# Altium PCB NUCLEOG431RB-Custom-IN-A2212.PcbDoc (part 2 of 5) (continued)
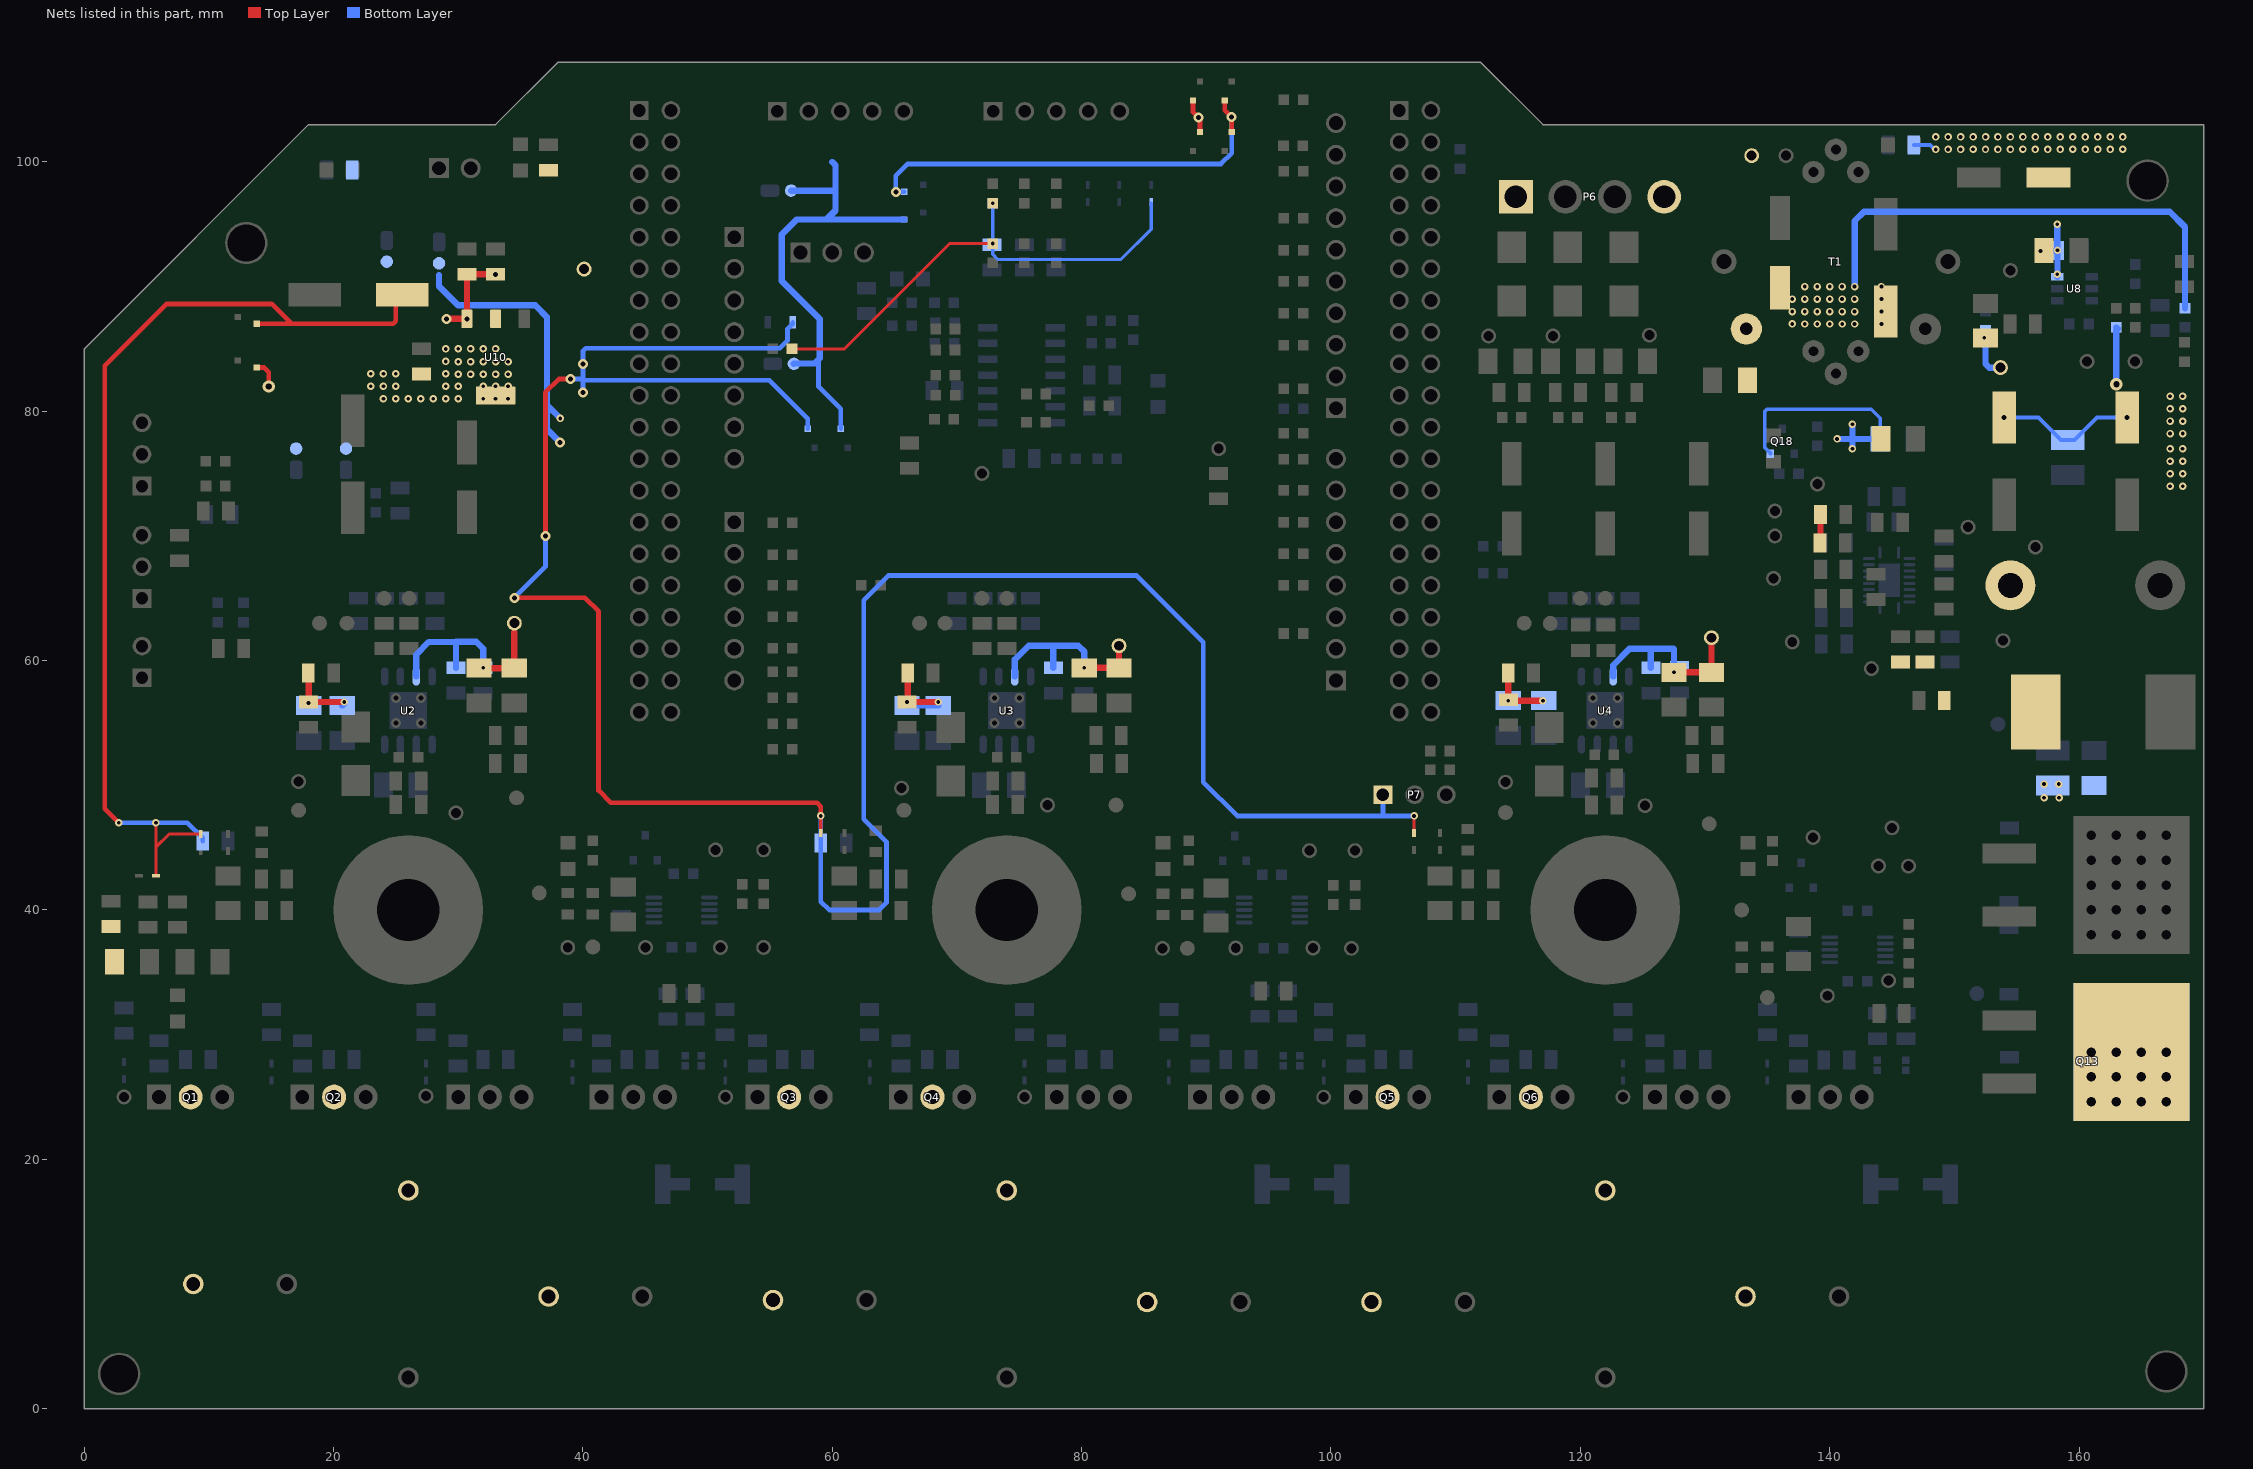
[diagram p4: the nets of this part, all layers, seen from the top]
## Part data (continued)
R65: library part ERJ-6ENF1802V, "RES SMD 18K OHM 1% 1/8W 0805", Digi-Key Part Number=P18.0KCCT-ND, Manufacturer="Panasonic Electronic Components", Operating Temperature="-55°C ~ 155°C", Package / Case="0805 (2012 Metric)", Power (Watts)="0.125W, 1/8W", Supplier Device Package=0805, Temperature Coefficient=±100ppm/°C, Tolerance=±1%, @ qty=1500, Composition="Thick Film", Datasheets=http://industrial.panasonic.com/www-cgi/jvcr13pz.cgi?E+PZ+3+AOA0002+ERJ6ENF1802V+7+WW, Factory Stock=0, Failure Rate=-, Features="Automotive AEC-Q200", Height - Seated (Max)="0.028\" (0.70mm)", Image=//media.digikey.com/Renders/Panasonic%20Renders/ERJ-0805%20Pkg.jpg, Minimum Quantity=1, Number of Terminations=2, Packaging="Cut Tape (CT)", Part Number=ERJ-6ENF1802V, Part Status=Active, Quantity Available=28787, Series=ERJ, Size / Dimension="0.079\" L x 0.049\" W (2.00mm x 1.25mm)", Unit Price (USD)=0.00729
R67: library part ERJ-6ENF2611V, "RES SMD 2.61K OHM 1% 1/8W 0805", Digi-Key Part Number=P2.61KCCT-ND, Manufacturer="Panasonic Electronic Components", Operating Temperature="-55°C ~ 155°C", Package / Case="0805 (2012 Metric)", Power (Watts)="0.125W, 1/8W", Supplier Device Package=0805, Temperature Coefficient=±100ppm/°C, Tolerance=±1%, @ qty=1500, Composition="Thick Film", Datasheets=http://industrial.panasonic.com/www-cgi/jvcr13pz.cgi?E+PZ+3+AOA0002+ERJ6ENF2611V+7+WW, Factory Stock=0, Failure Rate=-, Features="Automotive AEC-Q200", Height - Seated (Max)="0.028\" (0.70mm)", Image=//media.digikey.com/Renders/Panasonic%20Renders/ERJ-0805%20Pkg.jpg, Minimum Quantity=1, Number of Terminations=2, Packaging="Cut Tape (CT)", Part Number=ERJ-6ENF2611V, Part Status=Active, Quantity Available=42251, Series=ERJ, Size / Dimension="0.079\" L x 0.049\" W (2.00mm x 1.25mm)", Unit Price (USD)=0.00729
R68: library part ERJ-6ENF1021V, "RES SMD 1.02K OHM 1% 1/8W 0805", Digi-Key Part Number=P1.02KCCT-ND, Manufacturer="Panasonic Electronic Components", Operating Temperature="-55°C ~ 155°C", Package / Case="0805 (2012 Metric)", Power (Watts)="0.125W, 1/8W", Supplier Device Package=0805, Temperature Coefficient=±100ppm/°C, Tolerance=±1%, @ qty=1500, Composition="Thick Film", Datasheets=http://industrial.panasonic.com/www-cgi/jvcr13pz.cgi?E+PZ+3+AOA0002+ERJ6ENF1021V+7+WW, Factory Stock=0, Failure Rate=-, Features="Automotive AEC-Q200", Height - Seated (Max)="0.028\" (0.70mm)", Image=//media.digikey.com/Renders/Panasonic%20Renders/ERJ-0805%20Pkg.jpg, Minimum Quantity=1, Number of Terminations=2, Packaging="Cut Tape (CT)", Part Number=ERJ-6ENF1021V, Part Status=Active, Quantity Available=41456, Series=ERJ, Size / Dimension="0.079\" L x 0.049\" W (2.00mm x 1.25mm)", Unit Price (USD)=0.00729
R69 R177 R178 R179: library part ERJ-8ENF1003V, "RES SMD 100K OHM 1% 1/4W 1206", Digi-Key Part Number=P100KFCT-ND, Manufacturer="Panasonic Electronic Components", Operating Temperature="-55°C ~ 155°C", Package / Case="1206 (3216 Metric)", Power (Watts)="0.25W, 1/4W", Supplier Device Package=1206, Temperature Coefficient=±100ppm/°C, Tolerance=±1%, @ qty=1500, Composition="Thick Film", Datasheets=http://industrial.panasonic.com/www-cgi/jvcr13pz.cgi?E+PZ+3+AOA0002+ERJ8ENF1003V+7+WW, Factory Stock=0, Failure Rate=-, Features="Automotive AEC-Q200", Height - Seated (Max)="0.028\" (0.70mm)", Image=//media.digikey.com/Renders/Panasonic%20Renders/ERJ-1206%20Pkg.jpg, Minimum Quantity=1, Number of Terminations=2, Packaging="Cut Tape (CT)", Part Number=ERJ-8ENF1003V, Part Status=Active, Quantity Available=576605, Series=ERJ, Size / Dimension="0.126\" L x 0.063\" W (3.20mm x 1.60mm)", Unit Price (USD)=0.00933
R70: library part ERJ-3BQF1R0V, "RES SMD 1 OHM 1% 1/4W 0603", Digi-Key Part Number=P17371CT-ND, Manufacturer="Panasonic Electronic Components", Operating Temperature="-55°C ~ 125°C", Package / Case="0603 (1608 Metric)", Power (Watts)="0.25W, 1/4W", Supplier Device Package=0603, Temperature Coefficient=±200ppm/°C, Tolerance=±1%, @ qty=1500, Composition="Thick Film", Datasheets=https://industrial.panasonic.com/cdbs/www-data/pdf/RDA0000/AOA0000C239.pdf, Factory Stock=0, Failure Rate=-, Features="Automotive AEC-Q200, Current Sense", Height - Seated (Max)="0.022\" (0.55mm)", Image=//media.digikey.com/Photos/Panasonic%20Photos/MFG_ERJ-P6W%20Series.jpg, Minimum Quantity=1, Number of Terminations=2, Packaging="Cut Tape (CT)", Part Number=ERJ-3BQF1R0V, Part Status=Active, Quantity Available=30514, Series=ERJ, Size / Dimension="0.063\" L x 0.031\" W (1.60mm x 0.80mm)", Unit Price (USD)=0.05386
R71: library part ERJ-3EKF5103V, "RES SMD 510K OHM 1% 1/10W 0603", Digi-Key Part Number=P510KHCT-ND, Manufacturer="Panasonic Electronic Components", Operating Temperature="-55°C ~ 155°C", Package / Case="0603 (1608 Metric)", Power (Watts)="0.1W, 1/10W", Supplier Device Package=0603, Temperature Coefficient=±100ppm/°C, Tolerance=±1%, @ qty=1500, Composition="Thick Film", Datasheets=http://industrial.panasonic.com/www-cgi/jvcr13pz.cgi?E+PZ+3+AOA0002+ERJ3EKF5103V+7+WW, Factory Stock=0, Failure Rate=-, Features="Automotive AEC-Q200", Height - Seated (Max)="0.022\" (0.55mm)", Image=//media.digikey.com/Photos/Panasonic%20Photos/MFG_ERJ-P6W%20Series.jpg, Minimum Quantity=1, Number of Terminations=2, Packaging="Cut Tape (CT)", Part Number=ERJ-3EKF5103V, Part Status=Active, Quantity Available=132059, Series=ERJ, Size / Dimension="0.063\" L x 0.031\" W (1.60mm x 0.80mm)", Unit Price (USD)=0.00379
R72 R77: library part ERJ-3EKF1372V, "RES SMD 13.7K OHM 1% 1/10W 0603", Digi-Key Part Number=P13.7KHCT-ND, Manufacturer="Panasonic Electronic Components", Operating Temperature="-55°C ~ 155°C", Package / Case="0603 (1608 Metric)", Power (Watts)="0.1W, 1/10W", Supplier Device Package=0603, Temperature Coefficient=±100ppm/°C, Tolerance=±1%, @ qty=1500, Composition="Thick Film", Datasheets=http://industrial.panasonic.com/www-cgi/jvcr13pz.cgi?E+PZ+3+AOA0002+ERJ3EKF1372V+7+WW, Factory Stock=0, Failure Rate=-, Features="Automotive AEC-Q200", Height - Seated (Max)="0.022\" (0.55mm)", Image=//media.digikey.com/Photos/Panasonic%20Photos/MFG_ERJ-P6W%20Series.jpg, Minimum Quantity=1, Number of Terminations=2, Packaging="Cut Tape (CT)", Part Number=ERJ-3EKF1372V, Part Status=Active, Quantity Available=81314, Series=ERJ, Size / Dimension="0.063\" L x 0.031\" W (1.60mm x 0.80mm)", Unit Price (USD)=0.00379
R73: library part ERJ-3EKF49R9V, "RES SMD 49.9 OHM 1% 1/10W 0603", Digi-Key Part Number=P49.9HCT-ND, Manufacturer="Panasonic Electronic Components", Operating Temperature="-55°C ~ 155°C", Package / Case="0603 (1608 Metric)", Power (Watts)="0.1W, 1/10W", Supplier Device Package=0603, Temperature Coefficient=±100ppm/°C, Tolerance=±1%, @ qty=1500, Composition="Thick Film", Datasheets=http://industrial.panasonic.com/www-cgi/jvcr13pz.cgi?E+PZ+3+AOA0002+ERJ3EKF49R9V+7+WW, Factory Stock=0, Failure Rate=-, Features="Automotive AEC-Q200", Height - Seated (Max)="0.022\" (0.55mm)", Image=//media.digikey.com/Photos/Panasonic%20Photos/MFG_ERJ-P6W%20Series.jpg, Minimum Quantity=1, Number of Terminations=2, Packaging="Cut Tape (CT)", Part Number=ERJ-3EKF49R9V, Part Status=Active, Quantity Available=566023, Series=ERJ, Size / Dimension="0.063\" L x 0.031\" W (1.60mm x 0.80mm)", Unit Price (USD)=0.00379
R74: library part ERJ-3EKF2001V, "RES SMD 2K OHM 1% 1/10W 0603", Digi-Key Part Number=P2.00KHCT-ND, Manufacturer="Panasonic Electronic Components", Operating Temperature="-55°C ~ 155°C", Package / Case="0603 (1608 Metric)", Power (Watts)="0.1W, 1/10W", Supplier Device Package=0603, Temperature Coefficient=±100ppm/°C, Tolerance=±1%, @ qty=1500, Composition="Thick Film", Datasheets=http://industrial.panasonic.com/www-cgi/jvcr13pz.cgi?E+PZ+3+AOA0002+ERJ3EKF2001V+7+WW, Factory Stock=0, Failure Rate=-, Features="Automotive AEC-Q200", Height - Seated (Max)="0.022\" (0.55mm)", Image=//media.digikey.com/Photos/Panasonic%20Photos/MFG_ERJ-P6W%20Series.jpg, Minimum Quantity=1, Number of Terminations=2, Packaging="Cut Tape (CT)", Part Number=ERJ-3EKF2001V, Part Status=Active, Quantity Available=1021544, Series=ERJ, Size / Dimension="0.063\" L x 0.031\" W (1.60mm x 0.80mm)", Unit Price (USD)=0.00379
R75: library part ERJ-3EKF6802V, "RES SMD 68K OHM 1% 1/10W 0603", Digi-Key Part Number=P68.0KHCT-ND, Manufacturer="Panasonic Electronic Components", Operating Temperature="-55°C ~ 155°C", Package / Case="0603 (1608 Metric)", Power (Watts)="0.1W, 1/10W", Supplier Device Package=0603, Temperature Coefficient=±100ppm/°C, Tolerance=±1%, @ qty=1500, Composition="Thick Film", Datasheets=http://industrial.panasonic.com/www-cgi/jvcr13pz.cgi?E+PZ+3+AOA0002+ERJ3EKF6802V+7+WW, Factory Stock=0, Failure Rate=-, Features="Automotive AEC-Q200", Height - Seated (Max)="0.022\" (0.55mm)", Image=//media.digikey.com/Photos/Panasonic%20Photos/MFG_ERJ-P6W%20Series.jpg, Minimum Quantity=1, Number of Terminations=2, Packaging="Cut Tape (CT)", Part Number=ERJ-3EKF6802V, Part Status=Active, Quantity Available=63788, Series=ERJ, Size / Dimension="0.063\" L x 0.031\" W (1.60mm x 0.80mm)", Unit Price (USD)=0.00379
R76: library part ERJ-3GEYJ104V, "RES SMD 100K OHM 5% 1/10W 0603", Digi-Key Part Number=P100KGCT-ND, Manufacturer="Panasonic Electronic Components", Operating Temperature="-55°C ~ 155°C", Package / Case="0603 (1608 Metric)", Power (Watts)="0.1W, 1/10W", Supplier Device Package=0603, Temperature Coefficient=±200ppm/°C, Tolerance=±5%, @ qty=1500, Composition="Thick Film", Datasheets=http://industrial.panasonic.com/www-cgi/jvcr13pz.cgi?E+PZ+3+AOA0001+ERJ3GEYJ104V+7+WW, Factory Stock=0, Failure Rate=-, Features="Automotive AEC-Q200", Height - Seated (Max)="0.022\" (0.55mm)", Image=//media.digikey.com/Photos/Panasonic%20Photos/MFG_ERJ-P6W%20Series.jpg, Minimum Quantity=1, Number of Terminations=2, Packaging="Cut Tape (CT)", Part Number=ERJ-3GEYJ104V, Part Status=Active, Quantity Available=1377078, Series=ERJ, Size / Dimension="0.063\" L x 0.031\" W (1.60mm x 0.80mm)", Unit Price (USD)=0.00321
R78 R83 R88: library part ERJ-6BQF2R0V, "RES SMD 2 OHM 1% 1/3W 0805", Digi-Key Part Number=P17503CT-ND, Manufacturer="Panasonic Electronic Components", Operating Temperature="-55°C ~ 125°C", Package / Case="0805 (2012 Metric)", Power (Watts)="0.333W, 1/3W", Supplier Device Package=0805, Temperature Coefficient=±200ppm/°C, Tolerance=±1%, @ qty=1500, Composition="Thick Film", Datasheets=https://industrial.panasonic.com/cdbs/www-data/pdf/RDA0000/AOA0000C239.pdf, Factory Stock=0, Failure Rate=-, Features="Automotive AEC-Q200, Current Sense", Height - Seated (Max)="0.028\" (0.70mm)", Image=//media.digikey.com/Renders/Panasonic%20Renders/ERJ-0805%20Pkg.jpg, Minimum Quantity=1, Number of Terminations=2, Packaging="Cut Tape (CT)", Part Number=ERJ-6BQF2R0V, Part Status=Active, Quantity Available=4729, Series=ERJ, Size / Dimension="0.079\" L x 0.049\" W (2.00mm x 1.25mm)", Unit Price (USD)=0.05834
R80 R81 R85 R86 R90 R91: library part ERJ-6GEYJ102V, "RES SMD 1K OHM 5% 1/8W 0805", Digi-Key Part Number=P1.0KACT-ND, Manufacturer="Panasonic Electronic Components", Operating Temperature="-55°C ~ 155°C", Package / Case="0805 (2012 Metric)", Power (Watts)="0.125W, 1/8W", Supplier Device Package=0805, Temperature Coefficient=±200ppm/°C, Tolerance=±5%, @ qty=1500, Composition="Thick Film", Datasheets=http://industrial.panasonic.com/www-cgi/jvcr13pz.cgi?E+PZ+3+AOA0001+ERJ6GEYJ102V+7+WW, Factory Stock=0, Failure Rate=-, Features="Automotive AEC-Q200", Height - Seated (Max)="0.028\" (0.70mm)", Image=//media.digikey.com/Renders/Panasonic%20Renders/ERJ-0805%20Pkg.jpg, Minimum Quantity=1, Number of Terminations=2, Packaging="Cut Tape (CT)", Part Number=ERJ-6GEYJ102V, Part Status=Active, Quantity Available=1082417, Series=ERJ, Size / Dimension="0.079\" L x 0.049\" W (2.00mm x 1.25mm)", Unit Price (USD)=0.00496
R93 R97 R101 R139 R140 R141 R155 R159 R160 R162 R166: library part ERJ-3EKF1002V, "RES SMD 10K OHM 1% 1/10W 0603", Digi-Key Part Number=P10.0KHCT-ND, Manufacturer="Panasonic Electronic Components", Operating Temperature="-55°C ~ 155°C", Package / Case="0603 (1608 Metric)", Power (Watts)="0.1W, 1/10W", Supplier Device Package=0603, Temperature Coefficient=±100ppm/°C, Tolerance=±1%, @ qty=1500, Composition="Thick Film", Datasheets=http://industrial.panasonic.com/www-cgi/jvcr13pz.cgi?E+PZ+3+AOA0002+ERJ3EKF1002V+7+WW, Factory Stock=0, Failure Rate=-, Features="Automotive AEC-Q200", Height - Seated (Max)="0.022\" (0.55mm)", Image=//media.digikey.com/Photos/Panasonic%20Photos/MFG_ERJ-P6W%20Series.jpg, Minimum Quantity=1, Number of Terminations=2, Packaging="Cut Tape (CT)", Part Number=ERJ-3EKF1002V, Part Status=Active, Quantity Available=6703141, Series=ERJ, Size / Dimension="0.063\" L x 0.031\" W (1.60mm x 0.80mm)", Unit Price (USD)=0.00379
R94 R96 R98 R100 R102 R104 R142 R143 R144 R149 R150: library part ERJ-3EKF1001V, "RES SMD 1K OHM 1% 1/10W 0603", Digi-Key Part Number=P1.00KHCT-ND, Manufacturer="Panasonic Electronic Components", Operating Temperature="-55°C ~ 155°C", Package / Case="0603 (1608 Metric)", Power (Watts)="0.1W, 1/10W", Supplier Device Package=0603, Temperature Coefficient=±100ppm/°C, Tolerance=±1%, @ qty=1500, Composition="Thick Film", Datasheets=http://industrial.panasonic.com/www-cgi/jvcr13pz.cgi?E+PZ+3+AOA0002+ERJ3EKF1001V+7+WW, Factory Stock=0, Failure Rate=-, Features="Automotive AEC-Q200", Height - Seated (Max)="0.022\" (0.55mm)", Image=//media.digikey.com/Photos/Panasonic%20Photos/MFG_ERJ-P6W%20Series.jpg, Minimum Quantity=1, Number of Terminations=2, Packaging="Cut Tape (CT)", Part Number=ERJ-3EKF1001V, Part Status=Active, Quantity Available=5218845, Series=ERJ, Size / Dimension="0.063\" L x 0.031\" W (1.60mm x 0.80mm)", Unit Price (USD)=0.00379
R95 R99 R103 R175 R176: library part ERJ-3EKF2051V, "RES SMD 2.05K OHM 1% 1/10W 0603", Digi-Key Part Number=P2.05KHCT-ND, Manufacturer="Panasonic Electronic Components", Operating Temperature="-55°C ~ 155°C", Package / Case="0603 (1608 Metric)", Power (Watts)="0.1W, 1/10W", Supplier Device Package=0603, Temperature Coefficient=±100ppm/°C, Tolerance=±1%, @ qty=1500, Composition="Thick Film", Datasheets=http://industrial.panasonic.com/www-cgi/jvcr13pz.cgi?E+PZ+3+AOA0002+ERJ3EKF2051V+7+WW, Factory Stock=0, Failure Rate=-, Features="Automotive AEC-Q200", Height - Seated (Max)="0.022\" (0.55mm)", Image=//media.digikey.com/Photos/Panasonic%20Photos/MFG_ERJ-P6W%20Series.jpg, Minimum Quantity=1, Number of Terminations=2, Packaging="Cut Tape (CT)", Part Number=ERJ-3EKF2051V, Part Status=Active, Quantity Available=48175, Series=ERJ, Size / Dimension="0.063\" L x 0.031\" W (1.60mm x 0.80mm)", Unit Price (USD)=0.00379
R105 R106 R107 R108 R109 R110 R111 R112 R113 R114 R115 R116 R117 R118 R119 R120 R121 R122 R123 R124 R125 R126 R127 R128 R129 R130 R131 R132 R133 R134 R135 R137 R138 R151 R152 R153 R154 R156 R157 R158 R168 R169 R170 R180 R181 R182 R189 R190: library part ERJ-3GEY0R00V, "RES SMD 0.0OHM JUMPER 1/10W 0603", Digi-Key Part Number=P0.0GCT-ND, Manufacturer="Panasonic Electronic Components", Operating Temperature="-55°C ~ 155°C", Package / Case="0603 (1608 Metric)", Power (Watts)="0.1W, 1/10W", Supplier Device Package=0603, Temperature Coefficient=-, Tolerance=Jumper, @ qty=1500, Composition="Thick Film", Datasheets=http://industrial.panasonic.com/www-cgi/jvcr13pz.cgi?E+PZ+3+AOA0001+ERJ3GEY0R00V+7+WW, Factory Stock=0, Failure Rate=-, Features="Automotive AEC-Q200", Height - Seated (Max)="0.022\" (0.55mm)", Image=//media.digikey.com/Photos/Panasonic%20Photos/MFG_ERJ-P6W%20Series.jpg, Minimum Quantity=1, Number of Terminations=2, Packaging="Cut Tape (CT)", Part Number=ERJ-3GEY0R00V, Part Status=Active, Quantity Available=4813372, Series=ERJ, Size / Dimension="0.063\" L x 0.031\" W (1.60mm x 0.80mm)", Unit Price (USD)=0.00352
R136: library part ERJ-3EKF4700V, "RES SMD 470 OHM 1% 1/10W 0603", Digi-Key Part Number=P470HCT-ND, Manufacturer="Panasonic Electronic Components", Operating Temperature="-55°C ~ 155°C", Package / Case="0603 (1608 Metric)", Power (Watts)="0.1W, 1/10W", Supplier Device Package=0603, Temperature Coefficient=±100ppm/°C, Tolerance=±1%, @ qty=1500, Composition="Thick Film", Datasheets=http://industrial.panasonic.com/www-cgi/jvcr13pz.cgi?E+PZ+3+AOA0002+ERJ3EKF4700V+7+WW, Factory Stock=0, Failure Rate=-, Features="Automotive AEC-Q200", Height - Seated (Max)="0.022\" (0.55mm)", Image=//media.digikey.com/Photos/Panasonic%20Photos/MFG_ERJ-P6W%20Series.jpg, Minimum Quantity=1, Number of Terminations=2, Packaging="Cut Tape (CT)", Part Number=ERJ-3EKF4700V, Part Status=Active, Quantity Available=553629, Series=ERJ, Size / Dimension="0.063\" L x 0.031\" W (1.60mm x 0.80mm)", Unit Price (USD)=0.00379
R145 R146 R147: library part ERJ-3GEYJ472V, "RES SMD 4.7K OHM 5% 1/10W 0603", Digi-Key Part Number=P4.7KGCT-ND, Manufacturer="Panasonic Electronic Components", Operating Temperature="-55°C ~ 155°C", Package / Case="0603 (1608 Metric)", Power (Watts)="0.1W, 1/10W", Supplier Device Package=0603, Temperature Coefficient=±200ppm/°C, Tolerance=±5%, @ qty=1500, Composition="Thick Film", Datasheets=http://industrial.panasonic.com/www-cgi/jvcr13pz.cgi?E+PZ+3+AOA0001+ERJ3GEYJ472V+7+WW, Factory Stock=0, Failure Rate=-, Features="Automotive AEC-Q200", Height - Seated (Max)="0.022\" (0.55mm)", Image=//media.digikey.com/Photos/Panasonic%20Photos/MFG_ERJ-P6W%20Series.jpg, Minimum Quantity=1, Number of Terminations=2, Packaging="Cut Tape (CT)", Part Number=ERJ-3GEYJ472V, Part Status=Active, Quantity Available=683531, Series=ERJ, Size / Dimension="0.063\" L x 0.031\" W (1.60mm x 0.80mm)", Unit Price (USD)=0.00321
R148: library part ERJ-3EKF4701V, "RES SMD 4.7K OHM 1% 1/10W 0603", Digi-Key Part Number=P4.70KHCT-ND, Manufacturer="Panasonic Electronic Components", Operating Temperature="-55°C ~ 155°C", Package / Case="0603 (1608 Metric)", Power (Watts)="0.1W, 1/10W", Supplier Device Package=0603, Temperature Coefficient=±100ppm/°C, Tolerance=±1%, @ qty=1500, Composition="Thick Film", Datasheets=http://industrial.panasonic.com/www-cgi/jvcr13pz.cgi?E+PZ+3+AOA0002+ERJ3EKF4701V+7+WW, Factory Stock=0, Failure Rate=-, Features="Automotive AEC-Q200", Height - Seated (Max)="0.022\" (0.55mm)", Image=//media.digikey.com/Photos/Panasonic%20Photos/MFG_ERJ-P6W%20Series.jpg, Minimum Quantity=1, Number of Terminations=2, Packaging="Cut Tape (CT)", Part Number=ERJ-3EKF4701V, Part Status=Active, Quantity Available=999380, Series=ERJ, Size / Dimension="0.063\" L x 0.031\" W (1.60mm x 0.80mm)", Unit Price (USD)=0.00379
R161 R163 R165: library part ERJ-3EKF6800V, "RES SMD 680 OHM 1% 1/10W 0603", Digi-Key Part Number=P680HCT-ND, Manufacturer="Panasonic Electronic Components", Operating Temperature="-55°C ~ 155°C", Package / Case="0603 (1608 Metric)", Power (Watts)="0.1W, 1/10W", Supplier Device Package=0603, Temperature Coefficient=±100ppm/°C, Tolerance=±1%, @ qty=1500, Composition="Thick Film", Datasheets=http://industrial.panasonic.com/www-cgi/jvcr13pz.cgi?E+PZ+3+AOA0002+ERJ3EKF6800V+7+WW, Factory Stock=0, Failure Rate=-, Features="Automotive AEC-Q200", Height - Seated (Max)="0.022\" (0.55mm)", Image=//media.digikey.com/Photos/Panasonic%20Photos/MFG_ERJ-P6W%20Series.jpg, Minimum Quantity=1, Number of Terminations=2, Packaging="Cut Tape (CT)", Part Number=ERJ-3EKF6800V, Part Status=Active, Quantity Available=89165, Series=ERJ, Size / Dimension="0.063\" L x 0.031\" W (1.60mm x 0.80mm)", Unit Price (USD)=0.00379
R167: library part ERJ-PA3F3302V, "RES SMD 33K OHM 1% 1/4W 0603", Digi-Key Part Number=P33KBYCT-ND, Manufacturer="Panasonic Electronic Components", Operating Temperature="-55°C ~ 155°C", Package / Case="0603 (1608 Metric)", Power (Watts)="0.25W, 1/4W", Supplier Device Package=0603, Temperature Coefficient=±100ppm/°C, Tolerance=±1%, @ qty=1500, Composition="Thick Film", Datasheets=https://industrial.panasonic.com/cdbs/www-data/pdf/RDA0000/AOA0000C243.pdf, Factory Stock=0, Failure Rate=-, Features="Automotive AEC-Q200, Pulse Withstanding", Height - Seated (Max)="0.022\" (0.55mm)", Image=//media.digikey.com/Photos/Panasonic%20Photos/MFG_ERJ-P6W%20Series.jpg, Minimum Quantity=1, Number of Terminations=2, Packaging="Cut Tape (CT)", Part Number=ERJ-PA3F3302V, Part Status=Active, Quantity Available=3504, Series=ERJ, Size / Dimension="0.063\" L x 0.031\" W (1.60mm x 0.80mm)", Unit Price (USD)=0.02372
R183 R184: library part ERJ-8ENF4701V, "RES SMD 4.7K OHM 1% 1/4W 1206", Digi-Key Part Number=P4.70KFCT-ND, Manufacturer="Panasonic Electronic Components", Operating Temperature="-55°C ~ 155°C", Package / Case="1206 (3216 Metric)", Power (Watts)="0.25W, 1/4W", Supplier Device Package=1206, Temperature Coefficient=±100ppm/°C, Tolerance=±1%, @ qty=1500, Composition="Thick Film", Datasheets=http://industrial.panasonic.com/www-cgi/jvcr13pz.cgi?E+PZ+3+AOA0002+ERJ8ENF4701V+7+WW, Factory Stock=0, Failure Rate=-, Features="Automotive AEC-Q200", Height - Seated (Max)="0.028\" (0.70mm)", Image=//media.digikey.com/Renders/Panasonic%20Renders/ERJ-1206%20Pkg.jpg, Minimum Quantity=1, Number of Terminations=2, Packaging="Cut Tape (CT)", Part Number=ERJ-8ENF4701V, Part Status=Active, Quantity Available=213244, Series=ERJ, Size / Dimension="0.126\" L x 0.063\" W (3.20mm x 1.60mm)", Unit Price (USD)=0.00933
R185 R186 R187 R188: library part ERJ-6ENF4701V, "RES SMD 4.7K OHM 1% 1/8W 0805", Digi-Key Part Number=P4.70KCCT-ND, Manufacturer="Panasonic Electronic Components", Operating Temperature="-55°C ~ 155°C", Package / Case="0805 (2012 Metric)", Power (Watts)="0.125W, 1/8W", Supplier Device Package=0805, Temperature Coefficient=±100ppm/°C, Tolerance=±1%, @ qty=1500, Composition="Thick Film", Datasheets=http://industrial.panasonic.com/www-cgi/jvcr13pz.cgi?E+PZ+3+AOA0002+ERJ6ENF4701V+7+WW, Factory Stock=0, Failure Rate=-, Features="Automotive AEC-Q200", Height - Seated (Max)="0.028\" (0.70mm)", Image=//media.digikey.com/Renders/Panasonic%20Renders/ERJ-0805%20Pkg.jpg, Minimum Quantity=1, Number of Terminations=2, Packaging="Cut Tape (CT)", Part Number=ERJ-6ENF4701V, Part Status=Active, Quantity Available=312387, Series=ERJ, Size / Dimension="0.079\" L x 0.049\" W (2.00mm x 1.25mm)", Unit Price (USD)=0.00729
RJ1 RJ2 RJ3 RJ4 RJ5 RJ6: library part CMP-009-00121-1, Max Operating Temperature=155°C, Min Operating Temperature=-55°C, Pins=2
SB1 SB2 SB3 SB4 SB5 SB6 SB7 SB8 SB9 SB10 SB11 SB12 SB13 SB14 SB15 SB16 SB17 SB18 SB19 SB20 SB21 SB22 SB23 SB24 SB25 SB26: library part "Solder Bridge", "Circuit Breaker", Published=24-Mar-1999, Publisher="Altium Limited", Revision="July-2002: Re-released for DXP Platform."
T2 T3 T4: library part Phase_Connect
U1 U8: "Imported", Manufacturer="Texas Instruments", Manufacturer_Name="Texas Instruments", RefDes=RefDes, Type=DEV
  U1: Manufacturer_Part_Number=LM5146QRGYRQ1, PartNumber=LM5146QRGYRQ1
  U8: Manufacturer_Part_Number=TPS54308DDCR, PartNumber=TPS54308DDCR
U2 U3 U4 U5 U6 U7: "No Description Available", Copyright="Copyright (C) 2018 Accelerated Designs. All rights reserved", RefDes=RefDes, Type=DEV, Vendor="Texas Instruments"
  U2 U3 U4: Built_By=EMA_Molly, Manufacturer_Part_Number=UCC27712QDQ1, SourceLibrary=TI_2019-05-11
  U5 U6 U7: Built_By=EMA_Matt, Datasheet=https://www.ti.com/lit/ds/symlink/ina381.pdf?ts=1595282869145&ref_url=https%253A%252F%252Fwww.ti.com%252Fstore%252Fti%252Fen%252Fp%252Fproduct%252F%253Fp%253DINA381A1IDGSR, Manufacturer_Part_Number=INA381A1IDGSR, SourceLibrary=Texas_Instruments_2020-07-20
U9: library part CMP-04896-000028-1, "IC QUAD DIFF COMP 14-SOIC", Input Bias Current=-0.025uA, Input Offset Voltage=2mV, Manufacturer="Texas Instruments", Max Dual Supply Voltage=18V, Max Junction Temp=+70°C, Max Supply Voltage=30V, Min Dual Supply Voltage=1V, Min Supply Voltage=2V, Nominal Supply Current=0.8mA, Output Current Per Channel=6mA, Package=D0014A, Temperature="0°C to +70°C", Temperature Range Low=0°C, Automotive=No, Category=IC, ComponentLink2Description=Datasheet, ComponentLink2URL=http://www.ti.com/lit/ds/symlink/lm339.pdf, Device Class L1="Integrated Circuits (ICs)", Device Class L2="Linear ICs", Device Class L3=Comparators, Digikey Description="IC QUAD DIFF COMP 14-SOIC", Height=1.75mm, Ipc Land Pattern Name=SOIC127P600X175-14, Lead Free=Yes, Manufacturer Part Number=LM339DR, Mouser Description="Analog Comparators Quad Differential", Number Of Channels=4, Octopart=https://octopart.com/lm339dr-texas+instruments-45532, Response Time=1.3us, RoHS=TRUE, Standoff Height=0.1mm, Temperature Range High=+70°C
U10: library part CMP-0062-01638-4, "800mA Low-Dropout Linear Regulator, 4-pin SOT-223, Pb-Free", Manufacturer="Texas Instruments", PackageTopMarking=XYTT*N05A, PowerWise=N, Code_IPC=SOT223-4, Code_JEDEC=TO-261-AA, ComponentLink1Description="Datasheet URL", ComponentLink1URL=http://www.ti.com/general/docs/lit/getliterature.tsp?genericPartNumber=LM1117-N&fileType=pdf, CompType="LDO IC", High-Reliability=Y, PackageDescription="Molded SOT-223, 6.50 x 3.56 x 1.6mm Body, 4 Lead, 2.3mm Pitch", PackageReference=DCY0004A, PartNumber=LM1117MP-3.3/NOPB, PinCount=4, RoHS=Y
J9 J10 J11 J12: LatestRevisionDate=17-Jul-2002, LatestRevisionNote="Re-released for DXP Platform.", Publisher="Altium Limited"

## Via types
v1: diameter 0.6, hole 0.3, Top Layer to Bottom Layer, tented both sides, 389 vias
v2: diameter 0.8, hole 0.4, Top Layer to Bottom Layer, tented both sides, 190 vias
v3: diameter 1, hole 0.5, Top Layer to Bottom Layer, tented both sides, 2 vias
v4: diameter 0.762, hole 0.406, Top Layer to Bottom Layer, tented both sides, 2 vias

## Nets (pads, with @x,y where several pads share a name; then routed paths per layer and width w, separated by ;. In a path a pad name is that pad's centre, name@x,y a point inside that pad or via, vN(x,y) a via of type N, cw(c..) or ccw(c..) an arc to the next point about the centre after c; other vN are vias at no path point)
3v3: 3V3.1 C14.1 C15.1 C124.1 C125.2 D13.1 D14.1 D16.1 D18.1 P7.1 R186.1 SB14.2 SB16.2 SB18.2 SB19.1 SB22.1 SB23.2 SB25.2 U10.2 U10.4 | length 324.6
  Top Layer w0.254: D13.1@5.755,42.744 5.755,45.021 ; v1(5.755,47) 5.755,45.021 ; D14.1@9.341,46.092 6.826,46.092 5.755,45.021 ; D16.1@59.08,46.175 v1(59.08,47.544) ; D18.1@106.666,46.175 v1(106.666,47.539)
  Top Layer w0.381: v1(2.777,47) 1.657,48.121 1.657,83.657 6.608,88.608 15.033,88.608 16.628,87.013 ; SB22.1@13.841,87.013 16.628,87.013 ; C125.2@25.5,89.345 24.993,88.838 24.993,87.236 24.77,87.013 16.628,87.013 ; v2(34.5,65.04) 40.162,65.04 41.256,63.946 41.256,49.588 42.252,48.592 58.786,48.592 59.08,48.298 v1(59.08,47.544) ; v2(37,69.992) 37,81.521 38.058,82.58 v2(39,82.58) ; SB19.1@91.483,104.932 91.483,104.154 v2(92.042,103.595) SB18.2@92.042,102.405
  Bottom Layer w0.381: v1(2.777,47) v1(5.755,47) 8.274,47 9.5,45.774 C15.1@9.5,45.52 ; v2(34.5,65.04) 37,67.54 v2(37,69.992) ; v2(39,82.58) 40,82.58 ; v2(40,81.501) 40,82.58 ; 40,82.48 54.967,82.48 58.026,79.42 SB25.2@58.026,78.591 ; SB14.2@56.828,87.129 56.828,86.998 56.769,86.938 56.753,86.938 56.41,86.596 56.41,85.66 55.808,85.058 40.223,85.058 40,84.834 v2(40,83.81) 40,82.58 ; v1(59.08,47.544) C14.1@59.08,45.392 59.08,40.677 59.757,40 63.763,40 64.351,40.588 64.351,45.458 62.52,47.29 62.52,64.836 64.514,66.83 84.397,66.83 89.754,61.473 89.754,50.265 92.479,47.539 104.25,47.539 ; SB16.2@65.771,97.611 65.765,97.604 65.103,97.604 v2(65.097,97.598) 65.097,98.896 66.038,99.838 91.177,99.838 92.042,100.703 v2(92.042,103.595) ; P7.1@104.17,49.25 104.17,47.619 104.25,47.539 ; v1(106.666,47.539) 104.25,47.539
  other v1: 24,81 25,81 26,81 26.993,81.001 28,81 29,81 30,81 32,81 33,81 34,81 22.993,82.001 24,82 25,82 29,82 34,82 30,82.017 32,82.017 33,82.017 22.993,83.001 24,83 25,83 29,83 30,82.978 30.993,82.98 32,82.978 33,82.978 34,82.98 30,83.975 30.993,83.976 32,83.975 33,83.975 34,83.975 29,84 29,85.001 30,85.016 30.993,85.017 32,85.016 33,85.016
5V: 5V.1 C20.1 C44.2 C45.2 C46.2 C122.2 C123.1 P6.1 R73.2 R179.2 R188.1 SB10.2 SB12.2 SB13.2 SB15.2 SB17.2 SB20.1 SB21.1 SB24.2 SB26.2 T1.8 U10.3 | length 94
  Top Layer w0.254: C46.2@144.5,86.416 C46.2@144.669,86.586
  Top Layer w0.381: SB21.1@13.841,83.52 14.413,83.52 14.803,83.13 v3(14.803,81.987) ; SB20.1@88.943,104.932 88.943,103.993 v2(89.37,103.566) 89.37,103.453 89.502,103.321 SB17.2@89.502,102.405
  Top Layer w0.508: v2(29.047,87.42) v2(30.7,87.42) C122.2@30.7,90.984 v2(33,90.984) ; v1(152.4,85.9) 152.462,85.9 C20.1@152.5,85.862
  Bottom Layer w0.381: 58.999,84.248 58.903,84.151 58.903,81.98 60.689,80.194 SB26.2@60.689,78.603
  Bottom Layer w0.508: SB13.2@56.7,97.7 56.714,97.686 60.258,97.686 ; SB10.2@56.921,83.81 56.945,83.834 58.585,83.834 58.903,84.151 ; 58.999,84.248 58.999,87.4 55.954,90.445 55.954,94.174 57.159,95.38 64.147,95.38 SB15.2@65.771,95.38 ; 59.535,95.38 60.258,96.102 60.258,97.686 ; 60,100 60.258,99.742 60.258,97.686 ; v1(142,90) 142.018,90.018 142.018,95.268 142.75,96 167.283,96 168.5,94.783 R73.2@168.5,88.275 ; v1@152.5,85.9 152.5,83.798 152.798,83.5 5V.1@153.7,83.5
  other v1: 136.993,87.001 138,87 139,87 140,87 141,87 142,87 144.155,87 136.993,88.001 138,88 139,88 140,88 140.993,88.001 142,88 144.155,88 136.993,89.001 138,89 139,89 140,89 140.993,89.001 142,89 144.155,89 138,90 139,90 140,90 140.993,90.001 144.155,90
15V: 15V.1 C19.1 C27.2 C28.2 C29.1 C30.1 C31.1 C42.2 C43.2 C52.1 C53.1 C54.1 C58.1 C59.1 C60.1 C61.1 C62.1 C63.1 C64.1 C71.1 C72.1 C73.1 C74.1 C75.1 C76.1 C77.1 C84.1 C85.1 C86.1 C87.1 L1.2 L2.2 P6.4 Q18.2 R62.2 R65.2 R71.2 R78.1 R83.1 R88.1 R185.1 SB11.2 TP11.1 TP20.1 TP29.1 U2.3 U3.3 U4.3 U8.3 | length 134.4
  Top Layer w0.508: C54.1@17.984,59 18,58.984 R78.1@18,56.682 v1(20.857,56.682) ; v1(32,59.429) 31.959,59.429 31.927,59.397 C58.1@34.5,59.397 34.5,62.273 ; C64.1@66.049,59 66.049,56.731 v1(66,56.682) v1(68.5,56.682) ; C73.1@80.203,59.397 80.888,59.397 80.917,59.426 82.957,59.426 82.986,59.397 C71.1@83,59.397 TP20.1@83,61.193 ; R88.1@114.212,56.872 C77.1@114.212,59 ; R88.1@114.222,56.866 114.304,56.785 v1(117,56.785) ; v1(127.52,59.063) 129.876,59.063 130.198,59.385 C84.1@130.52,59.063 TP29.1@130.52,61.835 ; R65.2@139.222,69.419 139.263,69.46 R62.2@139.263,71.718
  Bottom Layer w0.305: Q18.2@135.25,76.596 135.25,76.646 135.102,76.793 134.798,77.098 134.798,79.983 134.976,80.161 143.339,80.161 144.057,79.443 C31.1@144.057,77.781 ; R185.1@146.744,101.358 148.062,101.358 148.42,101 v1(148.5,101) ; v2(154,79.5) 156.75,79.5 158.55,77.7 C29.1@159.1,77.7 159.65,77.7 161.45,79.5 v2(163.863,79.5)
  Bottom Layer w0.508: C53.1@20.699,56.397 20.857,56.555 v1(20.857,56.682) ; U2.3@26.635,58.725 26.635,60.485 27.65,61.5 29.818,61.5 29.821,61.503 29.823,61.503 ; 28.461,90.91 28.461,90.021 29.981,88.5 36.168,88.5 37.117,87.551 37.117,80.486 ; C61.1@29.823,59.429 29.823,61.503 ; v1(32,59.429) 32,60.953 31.45,61.503 29.823,61.503 ; v2(38.177,77.495) 37.117,78.554 37.117,80.486 ; v1(38.177,79.426) 37.117,80.486 ; C63.1@66,56.397 C62.1@68.5,56.397 ; U3.3@74.635,58.725 74.635,60.085 75.752,61.202 77.734,61.202 ; C72.1@77.734,59.426 77.734,61.202 ; v1(80.203,59.426) 80.203,60.73 79.731,61.202 77.734,61.202 ; U4.3@122.635,58.725 122.635,59.635 123.95,60.95 125.657,60.95 ; C87.1@125.657,59.426 125.657,60.95 ; v1(127.52,59.063) 127.52,60.909 127.48,60.95 125.657,60.95 ; v1(140.594,77.781) 141.826,77.781 ; v1(141.826,77) 141.826,77.781 ; v1(141.826,78.95) 141.826,77.781 ; C31.1@144.057,77.781 141.826,77.781 ; v1(156.91,92.858) 158.226,92.858 v1(158.276,92.908) ; v1(158.26,90.986) 158.26,90.805 U8.3@158.276,90.789 ; v1(158.263,95) 158.263,92.921 v1(158.276,92.908) ; U8.3@158.276,90.986 v1(158.276,92.908) ; v3(163,82.17) 163,86.511 163.107,86.618 R71.2@163,86.725
  other v1: 18,56.611 114.227,56.785 168.313,73.983 167.306,73.985 167.306,74.985 168.313,74.983 167.306,75.985 168.313,75.983 167.306,76.985 168.306,76.985 167.306,78.212 168.313,78.21 167.306,79.212 168.313,79.21 167.306,80.212 168.313,80.21 167.306,81.212 168.306,81.212 149.5,101 150.5,101 151.501,101.007 152.5,101 153.5,101 154.5,101 155.501,101.007 156.5,101 157.5,101 158.5,101 159.501,101.007 160.5,101 161.5,101 162.5,101 163.501,101.007 148.501,102.007 149.501,102.007 150.501,102.007 151.501,102.007 152.501,102.007 153.501,102.007 154.501,102.007 155.501,102.007 156.501,102.007 157.501,102.007 158.501,102.007 159.501,102.007 160.501,102.007 161.501,102.007 162.501,102.007 163.501,102.007
60V: C4.2 C5.2 C6.2 C7.2 C8.2 C9.2 C10.2 C11.2 C12.2 C21.2 C22.2 C133.1 Q1.2 Q2.2 Q3.2 Q4.2 Q5.2 Q6.2 Q13.4 R46.1 R55.2 R58.2 R184.2
  other v1: 157.2,49 158.4,49 157.2,50.1 158.379,50.1
A+/H1: C98.2 D24.2 R115.2 R139.1 R142.1 R145.2 | length 39.7
  Top Layer w0.254: R115.2@56.775,85 60.976,85 69.429,93.453 v1(72.88,93.453)
  Bottom Layer w0.254: v1(72.88,96.686) v1(72.88,93.453) 72.88,92.583 73.287,92.177 83.155,92.177 85.58,94.601 D24.2@85.58,96.686